# KiCad board chocorne36-n!n.kicad_pcb
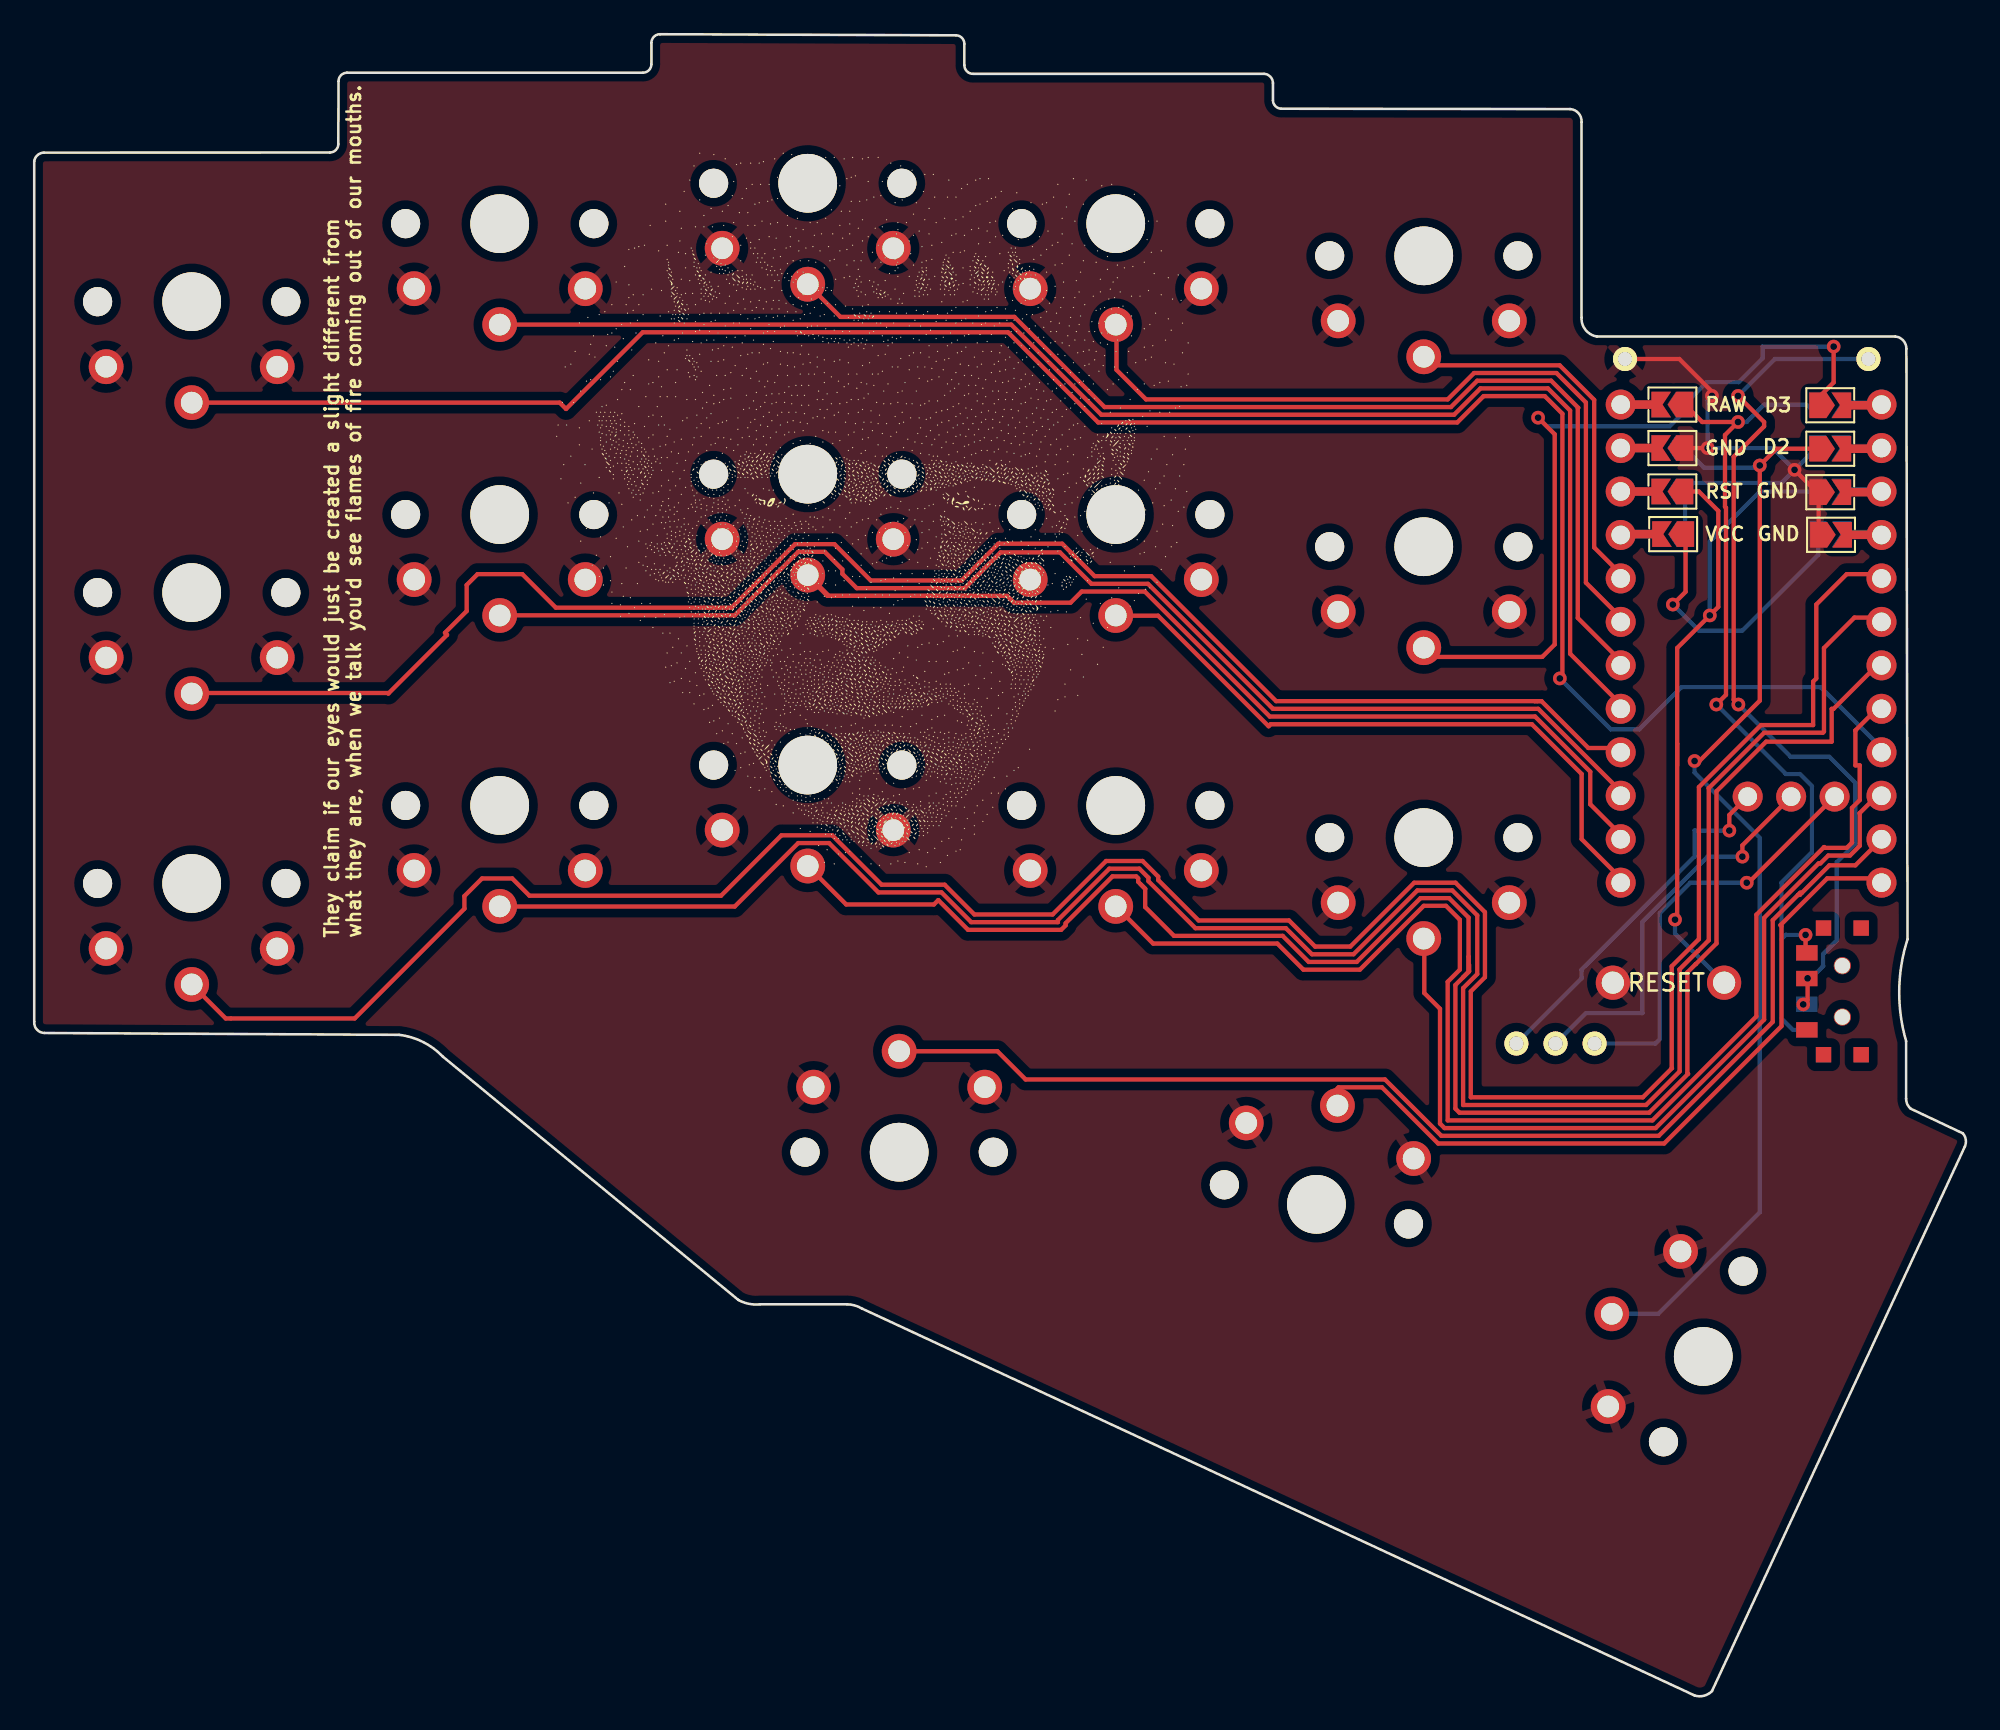
[diagram p0: board, top side]
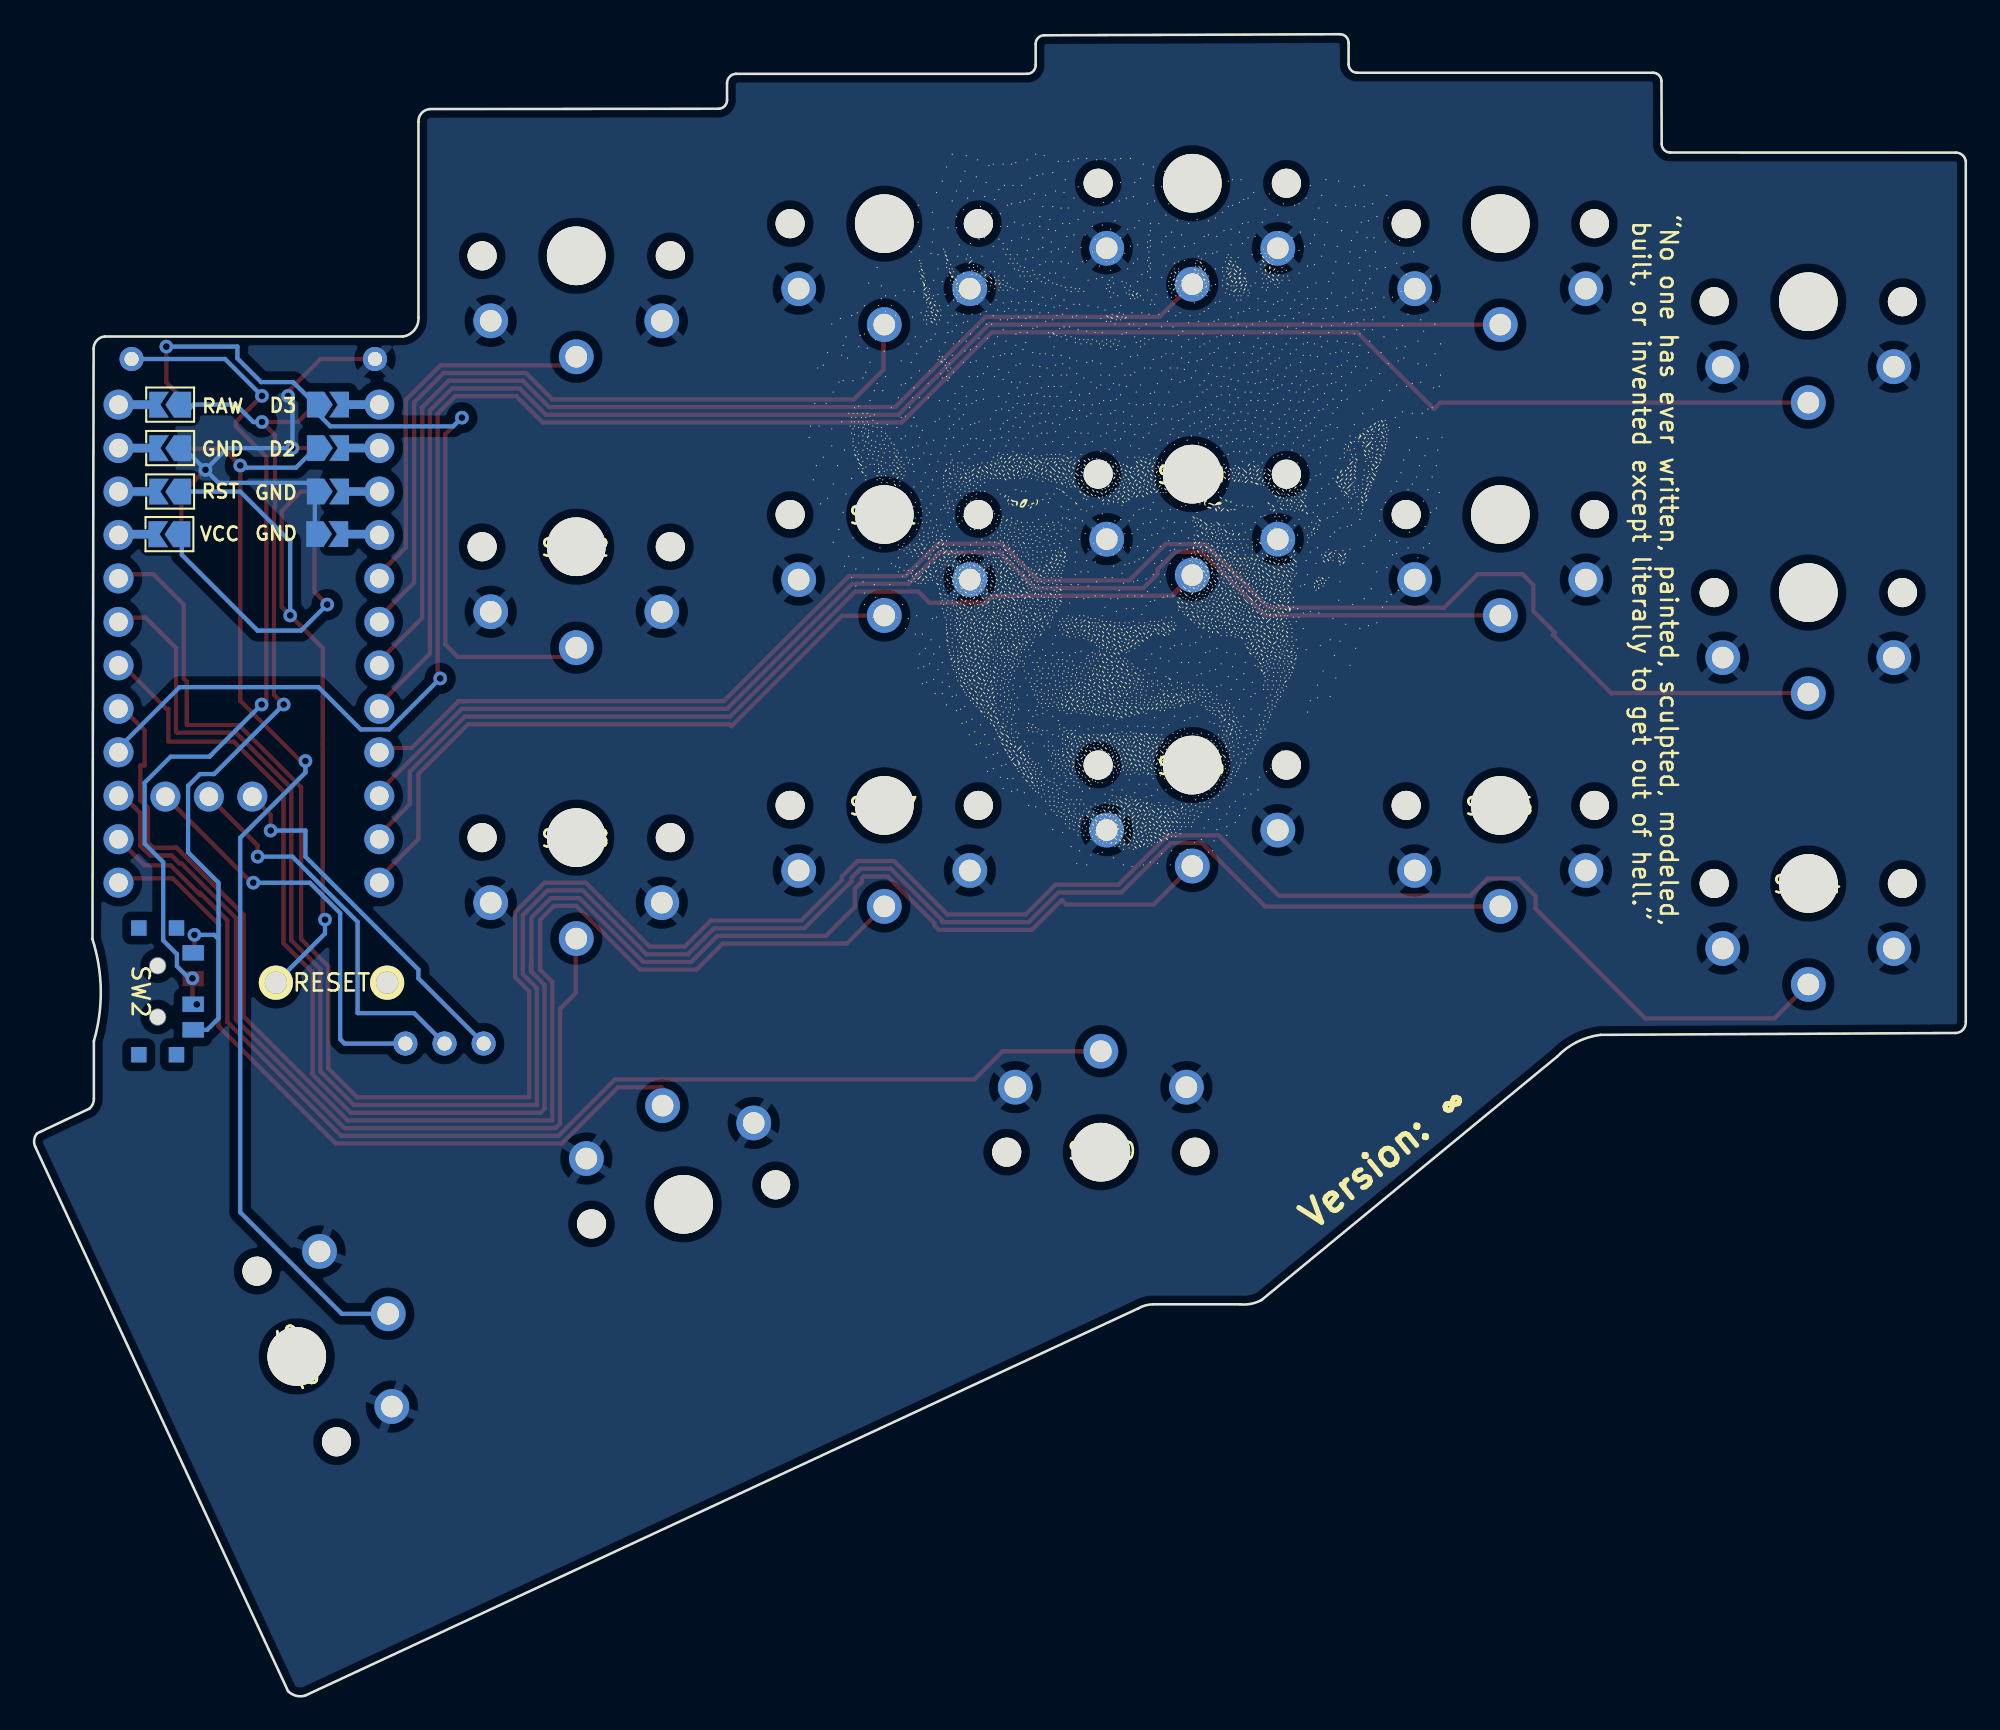
[diagram p1: board, bottom side, seen from below]

Outline 112.88 x 97.1 mm; copper layers: Top, Bottom. Coordinates in mm from the lower left corner of the outline.
Outline path: 0,89.68 arc(0.19,90.03) 0.57,90.18 17.27,90.19 arc(17.63,90.33) 17.77,90.69 17.78,94.35 arc(17.93,94.7) 18.28,94.85 35.57,94.85 arc(35.92,95) 36.07,95.35 36.07,96.6 arc(36.21,96.95) 36.57,97.1 53.86,97.04 arc(54.21,96.89) 54.36,96.54 54.36,95.29 arc(54.5,94.93) 54.86,94.79 71.87,94.79 arc(72.24,94.62) 72.39,94.24 72.39,93.25 arc(72.54,92.89) 72.89,92.75 89.76,92.73 arc(90.25,92.48) 90.42,91.96 90.42,80.53 arc(90.66,79.81) 91.32,79.44 108.76,79.44 arc(109.22,79.21) 109.41,78.73 109.47,44.21 arc(108.99,41.24) 109.39,38.26 109.39,34.89 arc(109.46,34.57) 109.66,34.31 112.71,32.87 arc(112.88,32.5) 112.82,32.1 98.04,0.27 arc(97.57,0) 97.03,0.02 48.38,22.62 arc(47.96,22.81) 47.5,22.88 42.42,22.88 arc(41.76,22.91) 41.15,23.13 23.88,37.35 arc(22.72,38.21) 21.34,38.62 0.61,38.73 arc(0.16,38.93) 0,39.39 0,89.68

## Placement (name value [footprint] x y rotation side)
24  Val**  [1pin_conn_min]  86.61 38.12 0 top
26  Val**  [1pin_conn_min]  88.9 38.12 0 top
27  27  [1pin_conn_min]  91.19 38.12 0 top
Bat+1  MountingHole_Pad  [1pin_conn_min]  107.19 78.12 0 top
BatGND1  MountingHole_Pad  [1pin_conn_min]  92.96 78.12 0 top
G***  LOGO  [tau2]  34.29 36.34 321 top
G***#2  LOGO  [frank4]  48.94 69.67 0 top
G***#3  LOGO  [frank4]  49.18 69.61 180 bottom
RSW1  SW_Push  [ResetSW]  95.5 41.67 180 bottom
SW2  SW_Push  [SW_PG1350_rev_DPB2.2]  9.2 81.47 0 top
SW2#2  SW_SPDT  [SPDT_C128955r]  105.66 41.16 90 bottom
SW3  SW_Push  [SW_PG1350_rev_DPB2.2]  27.2 86.03 0 top
SW4  SW_Push  [SW_PG1350_rev_DPB2.2]  45.2 88.39 0 top
SW5  SW_Push  [SW_PG1350_rev_DPB2.2]  63.2 86.03 0 top
SW6  SW_Push  [SW_PG1350_rev_DPB2.2]  81.2 84.15 0 top
SW8  SW_Push  [SW_PG1350_rev_DPB2.2]  9.2 64.47 0 top
SW9  SW_Push  [SW_PG1350_rev_DPB2.2]  27.2 69.03 0 top
SW10  SW_Push  [SW_PG1350_rev_DPB2.2]  45.2 71.39 0 top
SW11  SW_Push  [SW_PG1350_rev_DPB2.2]  63.2 69.03 0 top
SW12  SW_Push  [SW_PG1350_rev_DPB2.2]  81.2 67.15 0 top
SW14  SW_Push  [SW_PG1350_rev_DPB2.2]  9.2 47.47 0 top
SW15  SW_Push  [SW_PG1350_rev_DPB2.2]  27.2 52.03 0 top
SW16  SW_Push  [SW_PG1350_rev_DPB2.2]  45.2 54.39 0 top
SW17  SW_Push  [SW_PG1350_rev_DPB2.2]  63.2 52.03 0 top
SW18  SW_Push  [SW_PG1350_rev_DPB2.2]  81.2 50.15 0 top
SW20  SW_Push  [SW_PG1350_rev_DPB2.2]  50.55 31.77 180 top
SW21  SW_Push  [SW_PG1350_15_reversible_b2V2]  74.93 28.72 168 top
SW22  SW_Push  [SW_PG1350_20_reversible_b2]  97.54 19.83 245 top
SW_POWER1  SW_SPDT  [SPDT_C128955]  105.66 41.16 270 top
U1  ProMicro-kbd  [ProMicroSimpleJumperDPBnn2]  102.36 63.52 0 top

## Library data of the parts
24 26 27 Bat+1 BatGND1 = -: Field4: **

## Footprints (pads in the part's own frame, mm; a bottom-side part is the same pattern mirrored in y, then rotated)
1pin_conn_min
  round 1.397 hole 0.813: 1(0,0) 1(0,0)
ProMicroSimpleJumperDPBnn2
  round 1.753 hole 1.092: (-9.65,11.94) (-9.65,9.4) (-9.65,6.86) (-9.65,4.32) (5.59,11.94) (5.59,9.4) (5.59,6.86) (5.59,4.32) 5(5.59,1.78) 6(5.59,-0.76) 7(5.59,-3.3) 8(5.59,-5.84) 9(5.59,-8.38) 10(5.59,-10.92) 11(5.59,-13.46) 12(5.59,-16) 13(-9.65,-16) 14(-9.65,-13.46) 15(-9.65,-10.92) 16(-9.65,-8.38) 17(-9.65,-5.84) 18(-9.65,-3.3) 19(-9.65,-0.76) 20(-9.65,1.78) 25(-2.23,-10.97) 26(0.31,-10.97) 27(2.85,-10.97)
  rect 1.524x0.5 smd far side: (-8.305,11.94) (-8.305,9.4) (-8.305,6.86) (-8.26,4.37) (4.245,11.94) (4.245,9.4) (4.245,6.86) (4.29,4.37)
  rect 1.524x0.5 smd: (-8.28,11.94) (-8.28,9.4) (-8.28,6.86) (-8.235,4.37) (4.27,11.9) (4.27,9.36) (4.27,6.82) (4.315,4.33)
  custom 1.15x1.5 smd far side: (-7.38,11.94) (-7.38,9.4) (-7.38,6.86) (-7.335,4.37) (3.295,11.94) (3.295,9.4) (3.295,6.86) (3.34,4.37)
  custom 1.15x1.5 smd: (-7.355,11.94) (-7.355,9.4) (-7.355,6.86) (-7.31,4.37) (3.32,11.9) (3.32,9.36) (3.32,6.82) (3.365,4.33)
  custom 1.5x1.5 smd far side: 1(-5.93,11.94) 2(-5.93,9.4) 3(-5.93,6.86) 4(-5.885,4.37) 21(1.89,4.37) 22(1.845,6.86) 23(1.845,9.4) 24(1.845,11.94)
  custom 1.5x1.5 smd: 1(1.87,11.9) 2(1.87,9.36) 3(1.87,6.82) 4(1.915,4.33) 21(-5.86,4.37) 22(-5.905,6.86) 23(-5.905,9.4) 24(-5.905,11.94)
ResetSW
  round 2 hole 1.3: 1(3.25,0) 2(-3.25,0)
SPDT_C128955
  round 1 hole 0.9 unplated: (-1.5,0) (1.5,0)
  rect 0.9x0.9 smd: 0(-3.7,1.1) 0(-3.7,-1.1) 0(3.7,1.1) 0(3.7,-1.1)
  rect 0.9x1.25 smd: 1(2.25,-2.075) 2(-0.75,-2.075) 3(-2.25,-2.075)
SPDT_C128955r
  rect 0.9x0.9 smd: 0(-3.7,-1.1) 0(-3.7,1.1) 0(3.7,-1.1) 0(3.7,1.1)
  rect 0.9x1.25 smd: 1(2.25,-2.075) 2(-0.75,-2.075) 3(-2.25,-2.075)
SW_PG1350_15_reversible_b2V2
  round 1.702 hole 1.702 unplated: (-5.5,0) (5.5,0)
  round 3.429 hole 3.429 unplated: (0,0)
  round 2.032 hole 1.27: 1(0,-5.9) 2(-5,-3.8) 2(5,-3.8)
SW_PG1350_20_reversible_b2
  round 1.702 hole 1.702 unplated: (-5.5,0) (5.5,0)
  round 3.429 hole 3.429 unplated: (0,0)
  round 2.032 hole 1.27: 1(0,-5.9) 2(-5,-3.8) 2(5,-3.8)
SW_PG1350_rev_DPB2.2
  round 1.702 hole 1.702 unplated: (-5.5,0) (5.5,0)
  round 3.429 hole 3.429 unplated: (0,0)
  round 2.032 hole 1.27: 1(0,-5.9) 2(-5,-3.8) 2(5,-3.8)

## Nets
gnd: BatGND1.1 RSW1.1 SW2.2 SW3.2 SW4.2 SW5.2 SW6.2 SW8.2 SW9.2 SW10.2 SW11.2 SW12.2 SW14.2 SW15.2 SW16.2 SW17.2 SW18.2 SW20.2 SW21.2 SW22.2 U1.3 U1.4 U1.23
vcc: U1.21
BT+: Bat+1.1 SW2#2.2 SW_POWER1.2
raw: SW2#2.3 SW_POWER1.3 U1.24
reset: RSW1.2 U1.22
Switch1: SW2.1 U1.9
Switch2: SW3.1 U1.17
Switch3: SW4.1 U1.18
Switch4: SW5.1 U1.19
Switch5: SW6.1 U1.20
Switch6: SW8.1 U1.16
Switch7: SW9.1 U1.15
Switch8: SW10.1 U1.14
Switch9: SW11.1 U1.13
Switch10: SW12.1 U1.1
Switch11: SW14.1 U1.5
Switch12: SW15.1 U1.6
Switch13: SW16.1 U1.7
Switch14: SW17.1 U1.8
Switch15: SW18.1 U1.10
Switch16: SW20.1 U1.11
Switch17: SW21.1 U1.12
Switch18: SW22.1 U1.2

Pads without a net: 24 1; 26 1; 27 1; SW2#2 0 1; SW_POWER1 0 1; U1 25 26 27

## Via types
v1: diameter 0.8, hole 0.4, Top to Bottom, 21 vias

## Routing (per net, layer and track width the routed paths; a pad name or vN(x,y) marks a point on that pad's centre or on a via; arc(x,y) is an arc through that point)
gnd: length 32
  Top w0.25: v1(98.04,75.96) 98.04,76.22 96.14,78.12 BatGND1.1 ; U1.23 v1(97.79,72.92) ; U1.4 104.28,70.29 U1.3 104.18,70.34 v1(102.87,71.64)
  Bottom w0.25: v1(102.87,71.64) 104.14,72.92 U1.23 ; v1(102.87,71.64) 101.6,72.92 v1(97.79,72.92) 97.79,75.71 v1(98.04,75.96) ; v1(102.87,71.64) 102.11,70.88 96.94,70.88 U1.3 96.48,70.33 U1.4
vcc: length 16.6
  Top w0.25: v1(95.76,63.77) 96.5,64.51 U1.21
  Bottom w0.25: U1.21 104.25,66.68 99.82,62.25 97.28,62.25 v1(95.76,63.77)
(no net): length 68.8
  Top w0.25: U1.25 99.06,51.47 v1(99.06,50.56) ; U1.27 100.18,47.51 v1(100.08,47.51) ; v1(99.82,49.04) 99.82,49.7 U1.26
  Bottom w0.25: v1(99.82,49.04) 97.79,49.04 93.98,45.23 93.98,39.89 90.68,39.89 26.1 ; v1(100.08,47.51) 96.77,47.51 95,45.74 95,38.37 94.74,38.12 27.1 ; 24.1 90.42,41.93 90.42,42.43 97.03,49.04 97.03,50.56 v1(99.06,50.56)
BT+: length 51.1
  Top w0.25: v1(103.63,41.93) 103.63,40.66 v1(103.38,40.4) ; v1(99.57,75.96) 101.09,74.44 101.09,74.18 99.31,72.41 99.31,58.2 v1(99.59,57.93)
  Bottom w0.25: v1(99.59,57.93) 102.64,54.88 104.9,54.88 106.43,53.36 106.43,49.8 105.34,48.71 105.34,44.14 104.54,43.34 104.54,42.64 103.83,41.93 v1(103.63,41.93) ; Bat+1.1 101.73,78.12 v1(99.57,75.96)
raw: length 51.7
  Top w0.25: v1(103.51,44.47) 103.51,43.49 103.59,43.41 ; U1.24 97.47,74.44 v1(99.57,74.44) 98.81,73.68 98.81,69.49 98.86,69.43 98.86,58.49 v1(98.3,57.93)
  Bottom w0.25: v1(103.51,44.47) 102.36,44.47 102.11,44.21 ; 102.11,44.21 102.11,47.51 103.89,49.29 103.89,53.17 103.19,53.86 102.36,53.86 v1(98.3,57.93) ; 102.11,44.21 102.11,39.58 102.78,38.91 103.59,38.91 ; 103.89,75.14 103.57,75.46 101.09,75.46 100.08,74.44 v1(99.57,74.44)
reset: length 45.6
  Top w0.25: 96.01,55.64 96.01,45.48 v1(95.88,45.36) 95.71,45.18 ; 96.01,55.64 96.01,61.23 v1(97.92,63.14) 98.41,63.63 98.41,69.24 97.28,70.38 U1.22 ; 96.01,55.64 96.01,54.37
  Bottom w0.25: RSW1.2 95.88,44.54 v1(95.88,45.36) ; U1.22 100.84,70.38 97.92,67.45 v1(97.92,63.14)
Switch1: length 123.4
  Top w0.25: v1(89.15,59.45) 89.3,59.6 89.3,74.92 88.27,75.95 84.7,75.95 83.16,74.41 62.18,74.41 56.91,79.68 35.56,79.68 31.08,75.2 30.71,75.57 SW2.1
  Bottom w0.25: 107.94,55.39 104.39,58.94 96.27,58.94 93.8,56.48 92.13,56.48 v1(89.15,59.45)
Switch2: length 84.3
  Top w0.25: SW3.1 57.09,80.13 62.36,74.86 82.97,74.86 84.51,76.4 88.46,76.4 89.75,75.11 89.75,60.9 92.72,57.93
Switch3: length 65.1
  Top w0.25: SW4.1 47.11,80.58 57.28,80.58 62.55,75.31 82.79,75.31 84.33,76.85 88.65,76.85 90.23,75.27 90.2,75.24 90.2,62.99 92.72,60.47
Switch4: length 45.6
  Top w0.25: 63.25,80.13 63.25,77.49 64.97,75.76 82.6,75.76 84.14,77.3 88.96,77.3 90.68,75.58 90.68,65.05 92.72,63.01
Switch5: length 21.5
  Top w0.25: 81.28,77.75 89.14,77.75 91.16,75.73 91.16,67.11 92.72,65.55
Switch6: length 96.9
  Top w0.25: 87.69,58.13 88.08,58.13 90.82,55.39 92.72,55.39 ; 87.69,58.13 72.58,58.13 65.27,65.43 61.97,65.43 60.07,67.33 56.34,67.33 54.19,65.18 48.88,65.18 46.76,67.3 44.46,67.3 40.75,63.59 30.48,63.59 28.52,65.55 25.91,65.55 25.27,64.91 25.27,63.39 24,62.12 24.12,62 20.7,58.57 20.66,58.6 9.14,58.6 ; 87.69,58.13 87.94,58.13
Switch7: length 74.8
  Top w0.25: 27.16,63.14 40.94,63.14 44.65,66.85 46.2,66.85 47.23,65.82 47.23,65.57 48.06,64.73 54.38,64.73 56.47,66.82 59.94,66.82 61.78,64.98 65.08,64.98 72.39,57.68 87.89,57.68 92.72,52.85
Switch8: length 65.5
  Top w0.25: 92.72,50.31 90.93,52.1 90.93,54 87.71,57.23 72.2,57.23 64.9,64.53 61.21,64.53 60.56,63.88 57.26,63.88 56.86,64.28 54.73,64.28 ; 54.73,64.28 46.43,64.28 45.2,65.51 ; 54.73,64.28 46.35,64.28 45.17,65.46
Switch9: length 38.2
  Top w0.25: 63.25,63.12 65.68,63.12 72.14,56.66 72.25,56.78 87.52,56.78 90.43,53.87 90.43,50.06 92.72,47.77
Switch10: length 45.4
  Top w0.25: 81.23,60.71 88.13,60.71 88.86,61.44 88.86,73.72 v1(87.88,74.69) ; v1(105.16,78.85) 105.16,76.75 104.23,75.83 U1.1
  Bottom w0.25: v1(105.16,78.85) 101,78.85 101,78.16 99.61,76.77 97.75,76.77 U1.1 96.27,75.29 96.27,74.88 95.57,74.18 88.39,74.18 v1(87.88,74.69)
Switch11: length 150.3
  Top w0.25: SW14.1 11.19,39.58 18.73,39.58 25.14,46 25.14,46.73 26.17,47.76 27.93,47.76 28.94,46.75 40.13,46.75 43.66,50.28 46.64,50.28 49.52,47.4 53.2,47.4 54.94,45.66 59.51,45.66 62.64,48.78 64.77,48.78 65.69,47.87 65.69,47.67 68.05,45.31 73.33,45.31 74.85,43.78 76.91,43.78 80.64,47.51 83.06,47.51 84.78,45.79 84.78,41.99 83.95,41.16 83.95,34.97 94.01,34.97 95.71,36.68 95.69,36.69 95.69,42.63 97.28,44.22 97.28,53.1 100.91,56.73 103.96,56.73 103.96,59.27 104.14,59.45 104.14,63.77 105.92,65.55 107.94,65.55
Switch12: length 125.6
  Top w0.25: 107.94,63.01 106.37,63.01 104.59,61.23 104.59,56.35 104.52,56.28 101.09,56.28 97.85,53.04 97.86,53.03 97.86,44.15 97.22,43.52 97.22,43.52 96.14,42.45 96.16,42.44 96.16,36.49 94.19,34.52 83.5,34.52 83.5,41.35 84.33,42.18 84.33,45.61 82.87,47.06 80.83,47.06 77.1,43.33 74.67,43.33 73.14,44.86 67.86,44.86 65.11,47.6 65.11,47.8 64.58,48.33 62.83,48.33 59.82,45.33 59.82,45.21 54.76,45.21 53.02,46.95 49.33,46.95 46.45,49.83 44.65,49.83 40.94,46.12 27.16,46.12
Switch13: length 105.9
  Top w0.25: 64.92,47.16 64.92,46.09 66.61,44.41 72.96,44.41 74.48,42.88 77.28,42.88 81.01,46.61 82.69,46.61 83.82,45.48 83.82,43.2 ; 64.92,47.16 64.51,47.57 64.51,47.77 64.4,47.88 63.01,47.88 60.27,45.15 60.27,45.02 60.01,44.76 54.57,44.76 52.83,46.5 52.58,46.24 47.45,46.24 45.2,48.49 ; 64.92,47.16 64.64,47.44 ; 83.5,41.99 83.85,42.34 83.85,42.72 ; 83.5,41.99 83.82,42.31 83.82,43.2 ; 83.5,41.99 83.05,41.54 83.05,34.31 83.29,34.07 94.38,34.07 96.65,36.34 96.61,36.39 96.61,42.27 97.09,42.76 97.1,42.76 98.31,43.97 98.31,52.86 101.21,55.76 105.04,55.76 105.04,57.67 105.15,57.67 107.94,60.47 ; 83.82,43.2 83.82,42.43
Switch14: length 78.5
  Top w0.25: 107.94,57.93 106.42,56.41 106.43,56.4 106.43,54.37 106.68,54.37 106.68,52.34 106.23,51.89 106.23,49.86 106.23,49.86 105.92,49.55 104.64,49.55 104.6,49.6 100.64,45.64 100.64,39.7 94.57,33.62 82.6,33.62 82.6,41.72 83.31,42.43 83.31,45.35 82.5,46.16 81.2,46.16 77.47,42.43 74.17,42.43 72.64,43.96 65.39,43.96 63.25,46.1
Switch15: length 49.3
  Top w0.25: 107.94,52.85 106.68,51.58 106.68,51.58 106.68,49.67 106.11,49.1 104.84,49.1 104.38,48.65 104.28,48.65 101.09,45.46 101.09,39.51 94.75,33.17 82.41,33.17 82.15,33.44 82.15,40.15 81.23,41.07 81.23,43.69
Switch16: length 70.4
  Top w0.25: 103.07,46.8 101.6,45.33 101.6,39.38 94.94,32.72 82.23,32.72 78.94,36.02 57.94,36.02 56.29,37.67 SW20.1 ; 103.07,46.8 103.18,46.8 104.9,48.53 106.43,48.53 U1.11 ; 103.07,46.8 103.2,46.93 103.3,46.93
Switch17: length 43.8
  Top w0.25: 75.7,35.04 76.22,35.56 78.76,35.56 82.04,32.27 95.25,32.27 102.11,39.13 102.11,44.97 102.05,45.04 104.78,47.77 107.94,47.77
Switch18: length 66.8
  Top w0.25: v1(97.03,54.63) 97.31,54.63 100.84,58.15 v1(100.84,71.9) 101.82,72.88 U1.2
  Bottom w0.25: SW22.1 94.9,22.32 100.84,28.26 100.84,50.14 97.03,53.95 v1(97.03,54.63) ; U1.2 97.58,71.77 100.46,71.77 100.58,71.9 v1(100.84,71.9)

## Copper pours and planes (outline as drawn; the poured copper is in the pictures)
gnd on Top: -8.76,112.08 122.3,109.14 123.1,-2 -15.33,-3.48 -12.44,112.7
gnd on Bottom: -6.55,109.31 124.51,106.37 125.48,-3.54 -13.18,-1.14 -10.23,109.93

## Text on the board
B.Silkscreen: “No one has ever written, painted, sculpted, modeled, / built, or invented except literally to get out of hell.” | Version: ∞
F.Silkscreen: They claim if our eyes would just be created a slight different from / what they are, when we talk you’d see flames of fire coming out of our mouths.
